# KiCad board ecp5.kicad_pcb (continued)
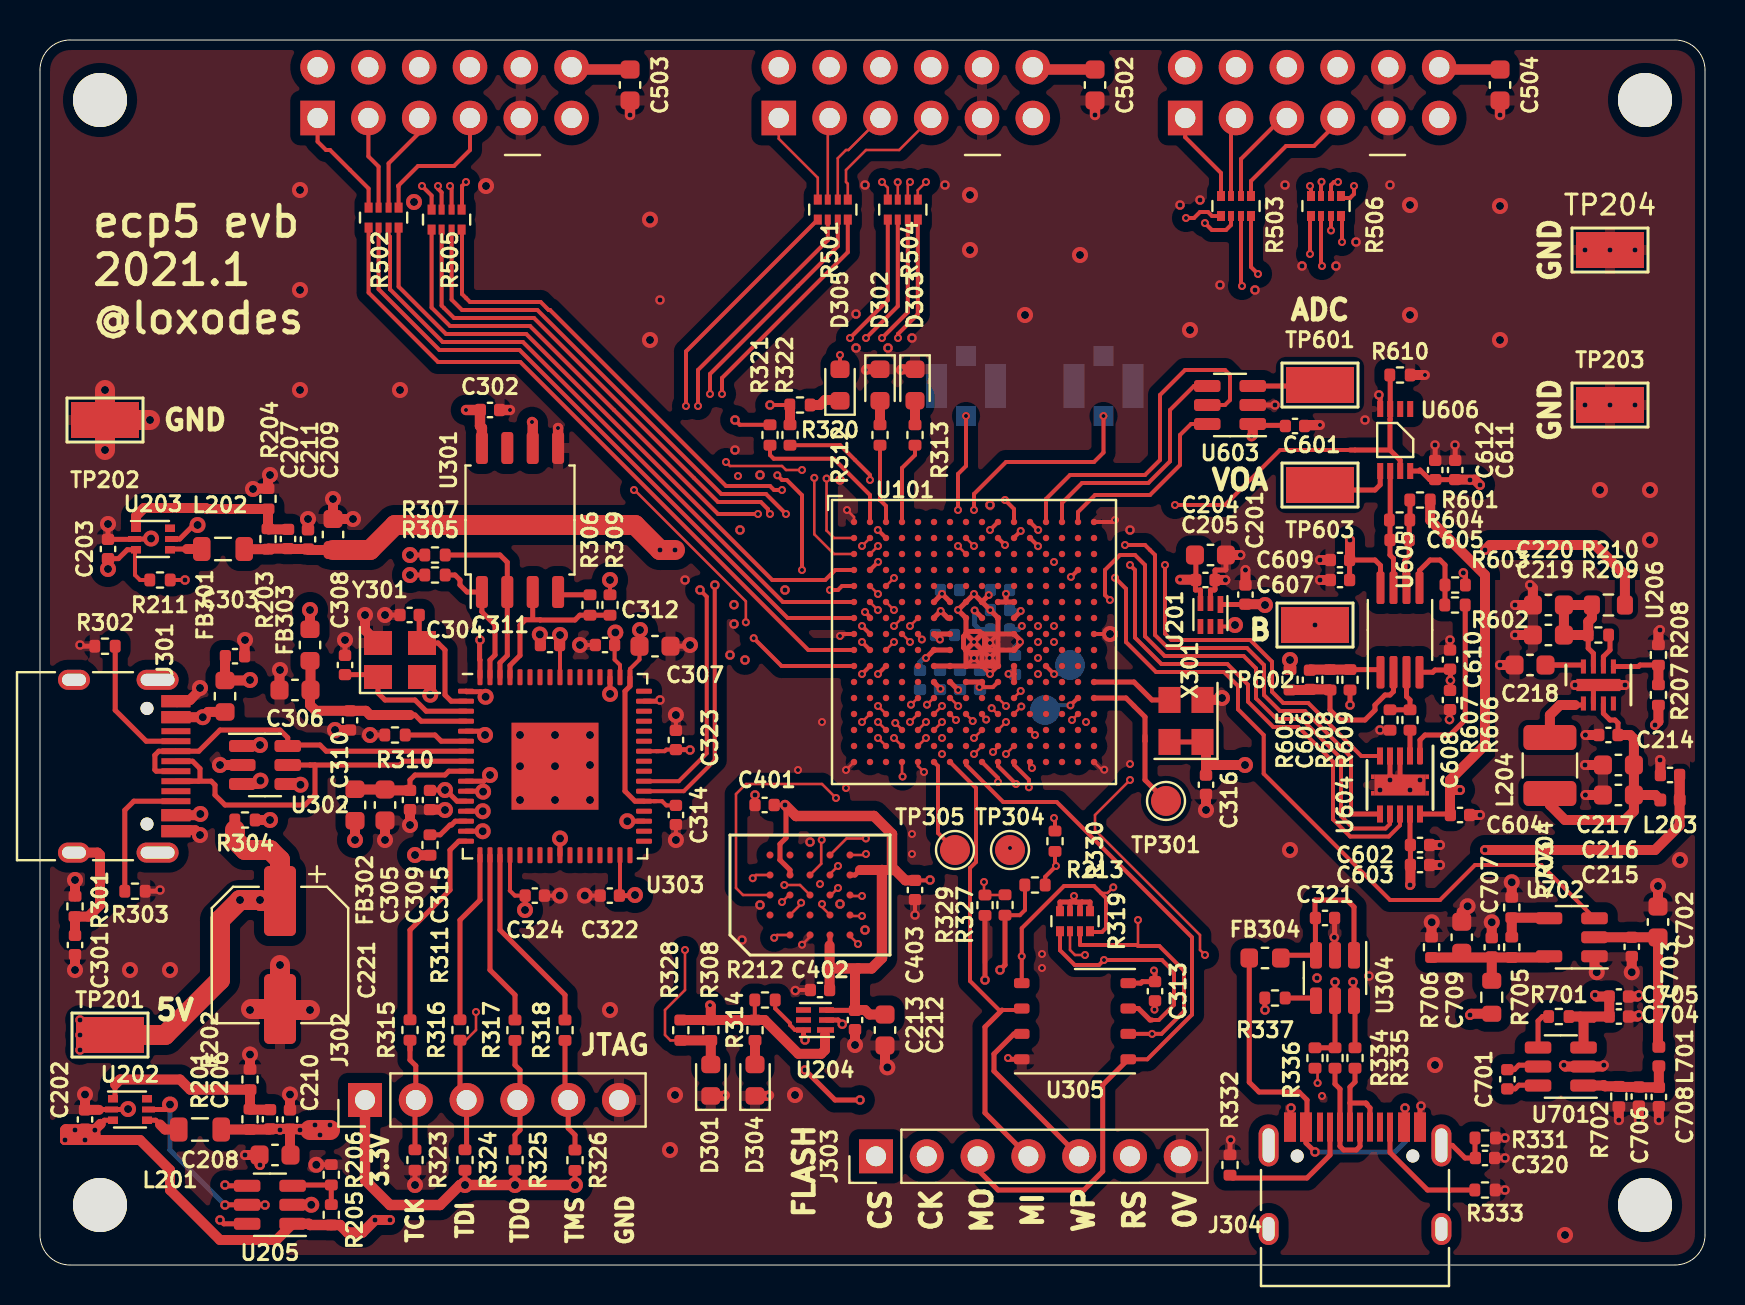
[diagram p0: board, top side]
## Routing (per net, layer and track width the routed paths; a pad name or vN(x,y) marks a point on that pad's centre or on a via; arc(x,y) is an arc through that point) (continued)
/bias/DAC_VREF: length 31.4
  Top w0.25: v2(62.5,30.25) R605.2 62.48,29.75 ; C604.2 70.47,22.55 U604.10
  Top w0.5: 70.5,23.75 v1(71,23.75) ; 70.5,23.75 70.5,22.52 C604.2 ; 70.5,23.75 70.5,24.25 72.25,26 72.25,34.5 69.51,37.24 R601.2
  In3.Cu w0.25: v1(71,23.75) 64.5,30.25 64.49,30.25 v2(62.5,30.25)
/bias/DAC_~{CLR}: length 27.6
  Top w0.2: U101.B11 48.7,36.37 v3(49.04,36.7) ; v3(56.25,35) 56.25,31.57 56.57,31.25 60.51,31.25 61.6,30.16 61.6,28.66 62.16,28.1 63.41,28.1 66.06,25.45 U604.5
  In2.Cu w0.2: v3(56.25,35) 55,33.75 51,33.75 49.04,35.71 v3(49.04,36.7)
/bias/DAC_~{SYNC}: length 32.2
  Top w0.2: v3(54.25,36) 55.25,36 55.75,35.5 55.75,31.5 56.4,30.85 60.35,30.85 61.2,30 61.2,28.5 62,27.7 63.25,27.7 65.55,25.4 65.55,22.55 ; v3(48.25,36) U101.B10
  Top w0.25: U604.6 65.55,22.55
  In2.Cu w0.2: v3(48.25,36) 48.25,37.5 48.75,38 50,38 52,36 v3(54.25,36)
/bias/SYNTH_VT_CS: length 9.7
  Top w0.2: U603.6 57.55,42.05 57,41.5 57,40 55.5,38.5 52.75,38.5 51.9,37.65 U101.A15
/bias/VOUTA: length 9.2
  Top w0.25: R602.2 71.26,27.26 70.5,26.5 69.25,26.5 69,26.25 U604.1
/bias/VOUTB: length 1.3
  Top w0.25: U604.2 68.52,25.47 68.52,25.73 68.5,25.75 R606.2
/pmod/P1A1: length 31.6
  Top w0.2: v3(35.69,31.34) 37.08,29.95 U101.K1 ; R501.1 32.3,45.68 v3(32.3,42.95)
  In4.Cu w0.127: v3(35.69,31.34) 34.71,31.34 34.1,31.95 34.1,33.15 34.57,33.62 34.57,35.41 32.3,37.69 v3(32.3,42.95)
/pmod/P1A1x: length 4.9
  Top w0.127: J501.1 36.94,56.31 38.89,54.36 R501.8
/pmod/P1A2: length 32.2
  Top w0.127: U101.J3 v3(42.7,31.15)
  Top w0.2: R501.2 39.39,51.24 32.9,44.75 v3(32.9,42.95)
  In4.Cu w0.127: v3(42.7,31.15) 42.14,30.59 37.59,30.59 35.5,32.68 35.5,34.95 32.9,37.55 v3(32.9,42.95)
/pmod/P1A2x: length 4.1
  Top w0.127: R501.7 39.39,57.26 J501.2
/pmod/P1A3: length 27.9
  Top w0.127: v3(41.9,32.75) 41.5,33.14 U101.F2
  Top w0.2: v3(33.5,43.55) 33.5,44.55 39.89,50.94 R501.3
  In4.Cu w0.127: v3(33.5,43.55) 33.5,39.09 34.56,38.02 37.5,38.02 38.18,37.35 38.18,36.47 v3(41.9,32.75) 41.9,32.74
/pmod/P1A3x: length 5
  Top w0.127: R501.6 39.89,55.34 40.3,55.75 40.42,55.75 J501.3
/pmod/P1A4: length 27.1
  Top w0.127: v3(38.1,39.75) 37.3,39.75 37.1,39.95 34.5,39.95 v3(34.3,40.15) ; U101.E3 v3(42.7,34.35)
  Top w0.2: R501.4 40.39,50.64 34.1,44.35 v3(34.1,43.55)
  In4.Cu w0.127: v3(34.3,40.15) 34.1,40.35 v3(34.1,43.55) ; v3(38.1,39.75) 38.1,38.95 40.5,36.55 40.5,35.75 41.9,34.35 v3(42.7,34.35)
/pmod/P1A4x: length 6.9
  Top w0.127: R501.5 40.39,54.06 40.3,54.15 40.3,54.75 41.3,55.75 42.96,55.75 J501.4
/pmod/P1A7: length 39.3
  Top w0.2: U101.K2 v3(41.1,29.55) ; v3(40.5,46.35) 42.39,48.24 R504.1
  In4.Cu w0.127: v3(40.5,46.35) 33.96,46.35 31.1,43.49 31.1,38.43 34.25,35.28 34.25,33.76 33.77,33.29 33.77,31.81 34.57,31.02 35.23,31.02 36.7,29.55 v3(41.1,29.55)
/pmod/P1A7x: length 10
  Top w0.127: R504.8 42.39,53.86 v3(42.1,54.15)
  In4.Cu w0.127: v3(42.1,54.15) 41.3,54.95 41.3,55.15 40.9,55.55 38.9,55.55 38.3,56.15 38.3,58.15 36.94,59.51 J501.7
/pmod/P1A8: length 41.3
  Top w0.127: v3(29.7,38.75) 29.73,38.75 35.29,33.18 v3(35.29,32.14)
  Top w0.2: v3(41.3,46.35) 42.89,47.94 R504.2 ; U101.K3 v3(41.9,29.55)
  In4.Cu w0.127: v3(41.3,46.35) 40.7,46.95 34.1,46.95 29.7,42.55 v3(29.7,38.75) ; v3(41.9,29.55) 41.23,30.22 37.36,30.22 36.57,31.01 36.57,31.14 35.58,32.14 v3(35.29,32.14)
/pmod/P1A8x: length 8
  Top w0.127: v3(42.89,54.14) 42.89,54.14 R504.7
  In4.Cu w0.127: v3(42.89,54.14) 40.7,56.33 40.7,58.67 J501.8
/pmod/P1A9: length 24
  Top w0.2: v3(39.5,33.75) 39.9,33.75 40.1,33.95 U101.E1 ; v3(38.1,34.75) 38.1,38.49 37.34,39.25 37.1,39.25 v3(36.87,39.49) ; v3(42.1,46.35) 43.39,47.64 R504.3
  In4.Cu w0.2: v3(36.87,39.49) 36.87,41.12 v3(42.1,46.35) ; v3(38.1,34.75) 38.5,34.75 v3(39.5,33.75)
/pmod/P1A9x: length 7.3
  Top w0.127: R504.6 43.39,54.04 v3(43.5,54.15)
  In4.Cu w0.127: J501.9 42.02,59.83 43.3,58.55 43.3,54.35 v3(43.5,54.15)
/pmod/P1A10: length 25.2
  Top w0.127: U101.F3 v3(42.7,32.75)
  Top w0.2: v3(42.9,46.35) 42.9,46.55 43.89,47.54 R504.4
  In4.Cu w0.127: 42.7,33.35 42.7,33.15 ; 42.7,33.15 v3(42.7,32.75) ; 42.7,33.15 42.7,33.44 42.11,34.02 41.76,34.02 40.1,35.69 40.1,36.35 37.64,38.81 37.64,40.29 42.9,45.55 v3(42.9,46.35)
/pmod/P1A10x: length 7.8
  Top w0.127: v3(44.3,54.15) 43.89,53.74 R504.5
  In4.Cu w0.127: J501.10 45.69,58.76 45.69,55.74 45.5,55.55 45.5,55.35 v3(44.3,54.15)
/pmod/P1B1: length 34.9
  Top w0.2: U101.J1 38.41,30.75 24.01,45.15 19.9,45.15 16.43,48.62 R502.1
/pmod/P1B1x: length 5.7
  Top w0.2: J502.1 13.88,56.17 14.3,55.75 14.5,55.75 16.43,53.82 R502.8
/pmod/P1B2: length 33.7
  Top w0.2: U101.G1 37.38,32.35 23.98,45.75 19.97,45.75 16.93,48.79 R502.2
/pmod/P1B2x: length 4.7
  Top w0.2: J502.2 16.42,55.43 16.93,54.92 R502.7
/pmod/P1B3: length 34.4
  Top w0.2: 17.5,50.35 17.5,48.78 ; 17.5,48.78 17.5,51.41 17.43,51.48 R502.3 ; 17.5,48.78 20.13,46.15 24.15,46.15 37.15,33.15 U101.F1
/pmod/P1B3x: length 5.1
  Top w0.2: R502.6 17.43,55.08 18.96,56.61 J502.3
/pmod/P1B4: length 32
  Top w0.2: U101.D1 39.76,34.75 39.26,34.25 36.61,34.25 24.31,46.55 20.3,46.55 17.93,48.92 R502.4
/pmod/P1B4x: length 7
  Top w0.2: R502.5 17.93,53.92 17.9,53.95 18.9,54.95 20.7,54.95 21.5,55.75 J502.4
/pmod/P1B7: length 35.9
  Top w0.2: v3(35.9,37.55) 33.9,37.55 24.5,46.95 20.5,46.95 19.58,47.87 R505.1 ; U101.J2 v3(41.1,31.15)
  In4.Cu w0.2: v3(35.9,37.55) 35.9,32.86 36.06,32.7 36.06,32.63 37.74,30.95 40.9,30.95 v3(41.1,31.15)
/pmod/P1B7x: length 10.3
  Top w0.2: R505.8 19.58,53.47 v3(19.1,53.95)
  In4.Cu w0.2: v3(19.1,53.95) 17.7,55.35 16.3,55.35 15.3,56.35 15.3,56.55 15.26,56.59 15.26,58.51 J502.7
/pmod/P1B8: length 34.9
  Top w0.2: R505.2 20.08,47.97 20.7,47.35 24.7,47.35 33.9,38.15 36.04,38.15 36.4,37.79 36.4,37.65 v3(36.5,37.55) ; U101.H2 v3(41.1,31.95)
  In4.Cu w0.2: v3(36.5,37.55) 36.5,32.76 37.31,31.95 v3(41.1,31.95)
/pmod/P1B8x: length 9.2
  Top w0.2: R505.7 20.08,53.63 19.9,53.81 v3(19.9,53.95)
  In4.Cu w0.2: v3(19.9,53.95) 19.9,54.95 19.1,55.75 18.1,55.75 17.9,55.95 17.9,56.35 17.8,56.45 17.8,58.51 J502.8
/pmod/P1B9: length 32.9
  Top w0.2: U101.G2 41.5,32.4 v3(41.25,32.65) ; R505.3 20.58,48.27 21.1,47.75 24.87,47.75 34.07,38.55 36.3,38.55 v3(37.3,37.55)
  In4.Cu w0.2: v3(37.3,37.55) 37.3,34.44 39.09,32.65 v3(41.25,32.65)
/pmod/P1B9x: length 7.8
  Top w0.2: v3(20.5,53.95) 20.58,53.87 R505.6
  In4.Cu w0.2: v3(20.5,53.95) 20.5,55.55 20.3,55.75 20.3,58.55 J502.9
/pmod/P1B10: length 31.3
  Top w0.127: v3(41.9,33.55) U101.E2
  Top w0.2: R505.4 21.1,51.75 21.1,48.55 21.5,48.15 25.03,48.15 25.43,47.75 25.5,47.75 34.3,38.95 36.5,38.95 36.7,38.75 v3(37.1,38.75)
  In4.Cu w0.127: v3(37.1,38.75) 37.24,38.75 39.77,36.21 39.77,35.41 41.64,33.55 v3(41.9,33.55)
/pmod/P1B10x: length 8.3
  Top w0.2: v3(21.3,54.15) 21.1,53.95 21.1,52.79 R505.5
  In4.Cu w0.2: v3(21.3,54.15) 21.3,54.75 22.7,56.15 22.7,58.69 J502.10
/pmod/P2_1: length 31.1
  Top w0.127: U101.C1 39.7,35.55 38.71,36.54 v3(38.71,39.36)
  Top w0.2: R503.5 58.6,52.45 58.4,52.65 58,52.65 57.7,52.35 v3(57.3,52.35)
  In4.Cu w0.127: 51.7,52.35 38.71,39.36 v3(38.71,39.36)
  In4.Cu w0.2: v3(57.3,52.35) 51.7,52.35
/pmod/P2_1x: length 6.5
  Top w0.2: J503.4 64.88,57.13 63.7,55.95 62.3,55.95 60.55,54.2 R503.1
/pmod/P2_2: length 30.3
  Top w0.127: U101.B1 39.7,36.35 39.33,36.72 v3(39.33,39.32)
  Top w0.2: R503.6 59.55,52 59.3,51.75 58.59,51.75 v3(58.25,52.1)
  In4.Cu w0.127: 57.7,51.95 57.64,51.89 51.89,51.89 v3(39.33,39.32)
  In4.Cu w0.2: v3(58.25,52.1) 58.1,51.95 57.7,51.95
/pmod/P2_2x: length 5
  Top w0.2: J503.3 62.1,57.35 60.05,55.3 R503.2
/pmod/P2_3: length 30.6
  Top w0.127: U101.H5 43.9,31.47 v3(44.09,31.28)
  Top w0.2: v3(60.1,48.95) 60.05,49 R503.7
  In4.Cu w0.127: 58.7,47.95 54.9,47.95 44.55,37.6 44.55,31.74 v3(44.09,31.28)
  In4.Cu w0.2: v3(60.1,48.95) 59.1,47.95 58.7,47.95
/pmod/P2_3x: length 4
  Top w0.2: J503.2 59.55,57.1 R503.3
/pmod/P2_4: length 31.3
  Top w0.127: U101.G5 v3(43.5,31.95)
  Top w0.2: R503.8 60.55,49.9 v3(60.9,49.55)
  In4.Cu w0.127: 58.5,49.55 55.9,49.55 44.23,37.88 44.23,32.68 v3(43.5,31.95)
  In4.Cu w0.2: 58.5,49.55 v3(60.9,49.55)
/pmod/P2_4x: length 4.6
  Top w0.2: R503.4 59.05,54.6 57.26,56.39 J503.1
/pmod/P2_7: length 32.8
  Top w0.127: U101.C2 v3(41.9,35.95)
  Top w0.2: R506.8 65.1,52.4 v3(65.1,51.15)
  In4.Cu w0.127: v3(41.9,35.95) 43.1,35.95 43.5,36.35 43.5,38.75 55.9,51.15 58.1,51.15
  In4.Cu w0.2: 58.1,51.15 v3(65.1,51.15)
/pmod/P2_7x: length 7.7
  Top w0.2: R506.1 65.15,53.35 65.5,53.35 65.7,53.55 v3(65.7,53.95)
  In4.Cu w0.2: J503.10 64.88,59.77 66.04,58.61 66.04,54.29 v3(65.7,53.95)
/pmod/P2_8: length 33
  Top w0.127: U101.B2 v3(41.1,35.95)
  Top w0.2: R506.7 v3(64.55,51.73)
  In4.Cu w0.127: v3(41.1,35.95) 41.3,36.15 41.3,36.95 42.1,37.75 43.1,37.75 43.1,38.95 45.5,41.35 45.5,42.35 54.7,51.55 58.1,51.55
  In4.Cu w0.2: v3(64.55,51.73) 64.37,51.55 58.1,51.55
/pmod/P2_8x: length 7.8
  Top w0.2: v3(64.9,54.15) 64.7,54.15 64.55,54 R506.2
  In4.Cu w0.2: J503.9 62.34,59.71 63.5,58.55 63.5,56.55 63.5,56.55 63.5,55.55 v3(64.9,54.15)
/pmod/P2_9: length 37.9
  Top w0.127: U101.H4 v3(43.5,31.15)
  Top w0.2: R506.6 64.05,50 v3(64.1,49.95)
  In4.Cu w0.127: v3(43.5,31.15) 43.5,30.15 43.9,29.75 44.5,29.75 45.7,30.95 45.7,31.35 46.3,31.95 47.9,31.95 48.57,32.62 48.57,32.92 50.1,34.45 50.1,35.35 50.9,36.15 50.9,41.55 55.1,45.75 60.9,45.75 63.9,48.75
  In4.Cu w0.2: 63.9,48.75 63.9,49.75 v3(64.1,49.95)
/pmod/P2_9x: length 8.6
  Top w0.2: v3(64.08,54.16) 64.05,54.13 R506.3
  In4.Cu w0.2: v3(64.08,54.16) 64.08,54.17 62.5,55.75 61.9,55.75 61.1,56.55 61.1,58.15 59.8,59.45 J503.8
/pmod/P2_10: length 34.2
  Top w0.127: U101.G4 v3(42.7,31.95)
  Top w0.2: v3(63.5,50.55) 63.5,52.4 R506.5
  In4.Cu w0.127: 58.7,50.55 55.9,50.55 43.9,38.55 43.9,33.15 v3(42.7,31.95)
  In4.Cu w0.2: 58.7,50.55 v3(63.5,50.55)
/pmod/P2_10x: length 10.7
  Top w0.2: R506.4 63.55,53.9 v3(63.5,53.95)
  In4.Cu w0.2: v3(63.5,53.95) 62.3,55.15 59.5,55.15 58.64,56.01 58.64,58.51 J503.7
/power/PGOOD: length 2.9
  Top w0.25: R205.1 R206.2 12.67,4 U205.3
/prog/DONE: length 33.5
  Top w0.127: R328.2 31.52,11.23 31.25,11.5 31.25,12.75 32.25,13.75 v3(32.25,15.75) ; v3(46.7,26.35) U101.P9 47,26.75
  Top w0.5: R328.2 R308.2 D301.2
  In2.Cu w0.127: 41.45,15.55 41.4,15.55 ; 41.45,15.55 45.1,15.55 46.1,16.55 46.1,16.95 46,17.05 46,25.75 46.6,26.35 v3(46.7,26.35) ; 41.45,15.55 32.45,15.55 v3(32.25,15.75)
/prog/FLASH_CS: length 36.8
  Top w0.127: v3(53.66,18.89) 53.38,18.6 53.05,18.6 ; U101.N8 46.3,27.53 v3(46.64,27.2)
  Top w0.2: R319.8 52.54,16.65 53.1,16.65 53.3,16.85 53.3,18.35 52.7,18.95 51.2,18.95 49.09,16.84 v3(49.09,15.44) U305.1
  In2.Cu w0.25: v3(49.09,15.44) 49.09,12.72 J303.1
  In4.Cu w0.127: v3(53.66,18.89) 53.66,21.7 50.02,25.35 49.76,25.35 48.96,26.14 47.69,26.14 v3(46.64,27.2)
/prog/FLASH_MISO|IO1: length 23.4
  Top w0.2: U101.T7 46.8,23.85 46.8,20.15 46.5,19.85 46.5,14.2 47.95,12.75 49.01,12.75 U305.2
  Top w0.25: 48.1,12.75 47.25,11.9 47.25,7.61 J303.4
/prog/FLASH_MOSI|IO0: length 36.9
  Top w0.2: U101.T8 46.3,25.01 48.16,23.15 50.84,23.15 57.6,16.39 57.6,12.52 55.37,10.28 U305.5
  Top w0.25: U305.5 53.14,9.01 53.14,4.69 52.2,3.75 47.9,3.75 46.88,4.77 J303.3
/prog/FLASH_SCK: length 42.4
  Top w0.127: U101.N9 47.1,27.48 v3(47.31,27.27) ; v3(54.9,17.25) 54.9,15.95
  Top w0.2: U305.6 56.07,11.56 57.2,12.68 57.2,14.72 55.97,15.95 54.9,15.95 54.85,16 52.01,16 52,16.01 R319.7
  In2.Cu w0.25: J303.2 46.75,7.85 54.1,7.85 55.61,9.36 v3(55.61,11.56)
  In4.Cu w0.127: v3(54.9,17.25) 54.9,20.93 50.15,25.67 49.89,25.67 48.99,26.58 48,26.58 v3(47.31,27.27)
/prog/FLASH_~{HLD}|~{RST}|IO3: length 40.9
  Top w0.127: U101.N7 v3(45.8,27.25)
  Top w0.2: 55.6,12.25 55.94,12.25 56.7,13.01 56.7,14.65 56.1,15.25 v3(53.2,15.25) 52.95,15 51.74,15 51,15.74 R319.5
  Top w0.25: U305.7 54.92,12.83 55.5,12.25 55.6,12.25
  In2.Cu w0.25: J303.6 56.25,7.19 56.25,14.25 56.5,14.5 56.5,14.75 56,15.25 v3(53.2,15.25)
  In4.Cu w0.127: v3(45.8,27.25) 46.1,26.95 46.1,22.35 v3(53.2,15.25)
/prog/FLASH_~{WP}|IO2: length 52.1
  Top w0.127: R319.6 51.5,15.75 51.75,15.5 v3(52.25,15.5) ; v3(58.25,15.5) 58,15.75 58,16.5 52.75,21.75 52.75,22.5 v3(54.5,24.25) ; v3(45.91,27.95) 45.51,28.35 U101.M7
  Top w0.25: U305.3 48.7,11.56 47.7,10.56 47.7,9.69 J303.5
  In4.Cu w0.127: v3(54.5,24.25) 52.5,26.25 51.75,26.25 51,27 51,27.5 49.25,29.25 48.75,29.25 48.5,29 48.57,28.93 48.57,28.57 48.5,28.5 47.5,28.5 47.25,28.25 46.21,28.25 v3(45.91,27.95) ; v3(58.25,15.5) 55,15.5 54.25,14.75 53,14.75 v3(52.25,15.5)
  In4.Cu w0.25: J303.5 51.5,5.89 51.5,15.25 51.75,15.5 v3(52.25,15.5)
/prog/FT_EECS: length 7
  Top w0.25: U303.63 22.5,30.25 22.75,30.5 22.75,32 22.09,32.66 U301.1 21.35,33.65 21,34 21,34.25 20.75,34.5 R305.2
/prog/PROGRAMn: length 8.8
  Top w0.127: v3(47.2,19.15) 47.2,18.55 R329.2 48.24,18.5 R327.1 ; v3(46.7,25.55) U101.R9
  In2.Cu w0.127: v3(46.7,25.55) 46.7,19.65 v3(47.2,19.15)
/prog/RXD_UART: length 8.1
  Top w0.2: v3(41.5,39.25) 41.5,39.5 40.01,40.99 R322.1 ; v3(41.89,36.75) 41.9,36.75 U101.B3
  In2.Cu w0.2: v3(41.5,39.25) 41.5,37.14 v3(41.89,36.75)
/prog/TXD_UART: length 7.7
  Top w0.2: R321.1 36.5,40.5 36.69,40.31 39.69,40.31 41.5,38.5 U101.A2
/prog/USR_1: length 4
  Top w0.2: U101.A3 42.3,37.95 42,38.25 R312.1
/prog/USR_2: length 4.1
  Top w0.2: R313.1 43.75,40.5 43.1,39.85 U101.A4
/ram/HRAM_CLK: length 13.3
  Top w0.13: 37.45,17.5 U401.B2 38.05,18.05 v3(38.05,18.11) ; U101.N5 v3(43.5,27.15)
  In4.Cu w0.13: v3(43.5,27.15) 43.5,26.02 39.93,22.45 39.06,22.45 38.05,21.44 v3(38.05,18.11)
/ram/HRAM_CLK#: length 25
  Top w0.13: U401.B1 36.85,16.5 v3(36.71,16.36) ; U101.N6 v3(45.1,27.95)
  In4.Cu w0.13: v3(45.1,27.95) 43.97,29.08 40.88,29.08 40.81,29.15 37.23,29.15 34.52,26.43 34.52,17.81 35.96,16.36 v3(36.71,16.36)
/ram/HRAM_CS: length 18.1
  Top w0.127: U401.A3 35.15,18.5 34.8,18.85 34.8,23.55 35.3,24.05 39.1,24.05 v3(39.8,23.35)
  Top w0.13: U101.R4 v3(42.7,26.35)
  In4.Cu w0.127: 39.7,25.35 39.7,23.45 v3(39.8,23.35)
  In4.Cu w0.13: v3(42.7,26.35) 42.2,25.85 40.1,25.85 39.7,25.45 39.7,25.35
/ram/HRAM_DQ0: length 11.3
  Top w0.127: v3(39.9,18.85) 39.55,18.5 U401.D3
  Top w0.13: U101.P4 43.1,26.77 v3(42.76,27.1)
  In2.Cu w0.127: v3(39.9,18.85) 39.4,19.35 39.4,20.75 39.6,20.95 39.6,22.15 43.3,25.85 43.3,26.57 v3(42.76,27.1)
/ram/HRAM_DQ1: length 14.8
  Top w0.127: v3(39.1,18.05) 39.1,17.9 U401.D2
  Top w0.13: U101.R3 v3(41.9,26.35)
  In4.Cu w0.127: 39.2,25.45 39.2,23.05 37.4,21.25 37.4,19.5 37.68,19.22 37.68,19.17 37.7,19.15 37.7,18.55 37.59,18.44 37.59,17.85 37.79,17.65 38.7,17.65 v3(39.1,18.05)
  In4.Cu w0.13: v3(41.9,26.35) 39.8,26.35 39.2,25.75 39.2,25.45
/ram/HRAM_DQ2: length 10.7
  Top w0.13: v3(39.09,21.26) 39.06,21.23 39.06,20.06 U401.C4 ; U101.P5 v3(44.3,27.15)
  In4.Cu w0.13: v3(39.09,21.26) 39.21,21.26 43.83,25.88 43.83,26.68 v3(44.3,27.15)
/ram/HRAM_DQ3: length 7.2
  Top w0.127: v3(39.9,19.95) 39.5,19.55 U401.D4
  Top w0.13: v3(43.13,24.42) 43.1,24.45 U101.T4
  In2.Cu w0.127: v3(39.9,19.95) 39.93,19.98 39.93,21.22 v3(43.13,24.42)
/ram/HRAM_DQ4: length 10.8
  Top w0.13: U101.P6 v3(45.1,27.15) ; U401.D5 40.32,21.32 v3(41.29,21.32)
  In4.Cu w0.13: v3(45.1,27.15) 45.57,26.68 45.57,25.15 41.74,21.32 v3(41.29,21.32)
/ram/HRAM_DQ5: length 11.1
  Top w0.13: v3(41.1,18.45) 40.55,18.45 U401.E3 ; U101.R5 v3(44.3,26.35)
  In4.Cu w0.13: v3(41.1,18.45) 40.8,18.75 40.8,21.75 40.84,21.79 41.57,21.79 43.7,23.92 43.7,25.25 44.3,25.85 v3(44.3,26.35)
/ram/HRAM_DQ6: length 24
  Top w0.127: v3(41.1,17.45) 40.55,17.45 U401.E2
  Top w0.13: v3(43.55,28.01) 43.88,28.35 U101.M5
  In4.Cu w0.127: v3(41.1,17.45) 40.97,17.32 35.93,17.32 35.17,18.08 35.17,21.12 36.3,22.25 36.3,24.45 37.9,26.05
  In4.Cu w0.13: 37.9,26.05 37.9,27.28 39.03,28.42 43.15,28.42 v3(43.55,28.01)
/ram/HRAM_DQ7: length 26.3
  Top w0.127: v3(40.9,16.05) 40.5,16.45 U401.E1
  Top w0.13: U101.M6 44.68,28.35 v3(44.35,28.01)
  In4.Cu w0.127: 38.73,28.78 34.85,24.9 34.85,17.94 35.96,16.82 40.13,16.82 v3(40.9,16.05)
  In4.Cu w0.13: v3(44.35,28.01) 43.61,28.75 38.76,28.75 38.73,28.78
/ram/HRAM_RST: length 14.4
  Top w0.13: U401.A4 35.8,19.5 v3(35.64,19.34) ; U101.N3 v3(41.9,27.95)
  In4.Cu w0.127: 38.4,25.95 38.4,23.41 35.64,20.65 v3(35.64,19.34)
  In4.Cu w0.13: v3(41.9,27.95) 39.03,27.95 38.4,27.32 38.4,25.95
/ram/HRAM_RWDS: length 14.6
  Top w0.127: U401.C3 38,19 v3(37.21,19)
  Top w0.13: U101.P3 v3(41.9,27.15)
  In4.Cu w0.127: v3(37.21,19) 36.1,20.11 36.1,20.45 38.8,23.15 38.8,25.95
  In4.Cu w0.13: 38.8,25.95 40.47,27.62 41.43,27.62 v3(41.9,27.15)
M5V_EN: length 40.9
  Top w0.2: v3(53.75,34.36) 54.3,33.81 54.3,31.15 55.8,29.65 59.2,29.65 59.9,28.95 59.9,27.78 61.18,26.5 61.18,24.57 67.5,18.25 70,18.25 71.75,20 75.06,20 U702.3 ; v3(49.9,35.94) 49.9,35.95 U101.B12
  In2.Cu w0.2: v3(53.75,34.36) 52.32,34.36 50.74,35.94 v3(49.9,35.94)
~{FPGA_RESET}: length 52.3
  Top w0.2: R213.2 49.25,18.99 49.25,17.75 48.99,17.49 R327.2
  Top w0.25: v1(9.25,4) 9.29,3.96 U205.4 ; v1(48,14.75) 48.25,15 R327.2
  In2.Cu w0.25: v1(48,14.75) 48,13.5 41.75,7.25 39.89,7.25 34.2,1.57 11.68,1.57 v1(9.25,4)
Net-(C206-Pad2): length 9.8
  Top w0.25: 3.75,9.03 3.75,8.41 U202.1
  Top w0.5: 3.75,9.03 4,9.28 7,9.28 7.51,8.77 R202.2 R201.1 10.53,7.77 C206.2
Net-(C207-Pad2): length 9.3
  Top w0.5: C207.2 11.43,36.78 R203.1 R204.2 8.34,37.8 8.29,37.85 5.2,37.85 4.8,37.45 4.8,36.9
Net-(C215-Pad1): length 14
  Top w0.25: C217.1 78.9,27.1 78.75,27.25 78.5,27.25 78.17,27.58 U206.3
  Top w0.5: C217.1 79.5,26.5 79.69,26.31 C216.1 C215.1 ; C215.1 79.69,22.69 79.25,22.25 76.25,22.25 75.5,23 L204.1 ; C215.1 80.5,23.5 ; C215.1 80.76,23.5 L203.1
Net-(C218-Pad1): length 2.9
  Top w0.25: 76.25,30 C218.1 77.09,30 U206.8
Net-(C219-Pad1): length 7.4
  Top w0.25: R209.1 77.41,30.84 77.67,30.58 U206.7
  Top w0.5: R209.1 77.41,32.16 77.59,32.34 R210.1 C220.1 C219.1 R209.1
Net-(C301-Pad1): length 23.4
  Top w0.5: J301.S1 6,20.5 ; J301.S1 2.88,20.62 3,20.5 3,18 2.42,17.42 R301.1 C301.1
  In3.Cu w0.5: J301.S1 J301.S1 J301.S1 J301.S1
Net-(C303-Pad1): length 9.6
  Top w0.5: v2(11,26) 10.95,25.95 U302.1 ; v2(10.5,29.25) 10.48,29.23 FB301.2 9.25,30.42 C303.1 ; U302.3 10.86,24.05 v2(11.02,24.22)
  In2.Cu w0.5: v2(11,26) 11.02,25.98 v2(11.02,24.22)
  In2.Cu w1: v2(11,26) 11,28.75 v2(10.5,29.25)
Net-(C304-Pad1): length 6.2
  Top w0.25: U303.2 20.56,28.19 20.25,28.5 20.25,30.75 19.9,31.1 Y301.3 18.96,31.24 C304.1
Net-(C305-Pad1): length 6.3
  Top w0.25: U303.9 20.44,24.69 20.25,24.5 18.75,24.5 18.5,24.25 C309.1
  Top w0.5: FB302.2 15.76,23.78 C305.1 17.3,23.73 C309.1
Net-(C306-Pad1): length 10.6
  Top w0.25: 18.23,27.5 18.75,27.5 19.06,27.19 U303.4
  Top w0.5: 18.5,27.5 16.5,27.5 16.29,27.71 C310.1 13.79,27.71 13.5,28 13.5,28.72 C306.1 13.53,30.19 FB303.2
Net-(C308-Pad1): length 7.3
  Top w0.25: U303.3 19.31,27.69 18.75,28.25 17.25,28.25 16.9,28.6 Y301.1 16.78,29.52 C308.1
Net-(C320-Pad1): length 20
  Top w0.25: R331.1 71.75,5.37 C320.1 71.25,5.35 70.62,5.98 J304.S1
  In2.Cu w0.5: J304.S1 J304.S1 J304.S1 J304.S1
Net-(C321-Pad1): length 9.1
  Top w0.25: U304.1 65.7,17.9 65.35,18.25 63.75,18.25 63.75,17.37 C321.1 63.77,15.52 U304.3 62.17,15.49 FB304.2
Net-(C605-Pad1): length 4.5
  Top w0.25: U605.6 68.25,33.94 68.25,35.25 68.46,35.46 C605.1 68.46,37.22 R604.2 68.5,37.26 68.5,38.25
Net-(C605-Pad2): length 5.9
  Top w0.25: U605.7 67.67,35.33 67.5,35.5 C605.2 67.5,37.22 R604.1 67.51,37.29 U606.6
Net-(C606-Pad1): length 8.1
  Top w0.25: U605.2 67.67,28.67 67.5,28.5 67.25,28.5 66.75,28 66.75,27.75 66.25,27.25 65,27.25 64.5,27.75 R608.2
  Top w0.5: R608.2 64.47,28.78 C606.1 63.47,28.75 R605.1
Net-(C606-Pad2): length 3.6
  Top w0.25: R609.2 66.89,29.77 U605.1
  Top w0.5: R609.2 R608.1 63.53,29.77 C606.2
Net-(C701-Pad1): length 1.6
  Top w0.25: C701.1 73.76,8.81 73.94,8.99 74.88,8.99 U701.6
Net-(C701-Pad2): length 1.7
  Top w0.25: C701.2 73.72,9.77 73.94,9.99 74.83,9.99 U701.5
Net-(C706-Pad2): length 4.9
  Top w0.5: L701.2 C708.2 79.96,8.88 C706.2 78.97,8.9 R702.1 78.25,8.93 78.19,8.99 78.17,8.97 U701.1
Net-(C707-Pad1): length 7.1
  Top w0.5: C707.1 R705.1 ; U702.5 75.39,15.38 R706.1
Net-(D302-Pad2): length 1.2
  Top w0.5: D302.2 R312.2
Net-(D303-Pad2): length 1.2
  Top w0.5: D303.2 R313.2
Net-(D304-Pad2): length 1.2
  Top w0.5: D304.2 R314.2
Net-(D305-Pad1): length 1.6
  Top w0.5: D305.1 39.96,43.25 39.25,43.25 39,43 R320.1
Net-(FB301-Pad1): length 8.8
  Top w0.5: v2(8.02,22.55) 7.96,22.49 J301.A9 ; 9.15,27.75 FB301.1 8.4,27.65 v2(8.14,27.39) J301.A4
  In2.Cu w0.5: v2(8.14,27.39) 8.02,27.27 v2(8.02,22.55)
Net-(FB304-Pad1): length 19.7
  Top w0.25: FB304.1 60.46,9.14 60.95,8.65 62.95,8.65 63.35,8.25 63.35,6.94 J304.A4 63.3,6.1 v1(63.75,5.65) ; v1(68.25,7.85) 68.25,6.94 J304.A9
  Bottom w0.25: v1(63.75,5.65) 67.75,5.65 68.25,6.15 v1(68.25,7.85)
Net-(J301-PadA5): length 6.9
  Top w0.25: R302.2 3.76,27.74 5.31,26.19 J301.A5
Net-(J301-PadA6): length 21.1
  Top w0.25: 7.56,24.19 8.56,24.19 8.75,24 8.75,23.5 9.25,23 13.25,23 13.75,23.5 13.75,25 13.5,25 ; 7.56,24.19 J301.B6 ; 7.56,24.19 7.94,24.19 8,24.25 8,24.82 7.63,25.19 J301.A6 ; 13.5,25 U302.5 ; 13.5,25 18,25 18.19,25.19 U303.8
Net-(J301-PadA7): length 18.6
  Top w0.25: J301.A7 5.81,24.69 5.74,24.76 5.74,25.49 5.94,25.69 J301.B7 7.94,25.69 9,26.75 12,26.75 12.39,26.36 U302.6 12.44,26 14,26 14.31,25.69 U303.7
Net-(J301-PadB5): length 6.8
  Top w0.25: R303.2 4.24,22.74 4.69,23.19 J301.B5
Net-(J302-Pad2): length 48
  Top w0.2: U101.T10 47.9,24.95 v3(48.8,24.05)
  Top w0.25: R323.1 18.75,8.21 J302.2 18.79,9.96 18.5,10.25 R315.1 18.5,10.75
  In2.Cu w0.127: J302.2 25.44,14.9 45.42,14.9 49.37,18.85 49.37,23.18 48.8,23.75 v3(48.8,24.05)
Net-(J302-Pad3): length 44.6
  Top w0.127: U101.R11 v3(48.3,25.55) ; R316.1 21.29,11.24 21.8,11.75 v3(21.8,12.65)
  Top w0.25: R324.1 21.33,5.84 J302.3 21,8.58 R316.1
  In2.Cu w0.127: v3(48.3,25.55) 47.3,24.55 47.3,21.95 47.8,21.45 47.8,17.79 45.24,15.22 24.37,15.22 v3(21.8,12.65)
Net-(J302-Pad4): length 48.6
  Top w0.127: v3(48.3,27.95) U101.M10
  Top w0.25: R317.1 23.75,10 24,9.75 24,8.38 J302.4 24,8.12 24,6.75 23.75,6.5 R325.1
  In2.Cu w0.127: v3(48.3,27.95) 48.3,27.88 47.84,27.41 47.84,26.93 49.05,25.71 49.48,25.71 50.1,25.09 50.1,18.65 38.5,7.05 25.07,7.05 J302.4
Net-(J302-Pad5): length 40.2
  Top w0.2: U101.T11 48.7,25.01 49.45,24.26 v3(49.45,23.89)
  Top w0.25: R326.1 26.75,6.5 26.41,6.84 J302.5 26.25,8.41 R318.1
  In2.Cu w0.127: v3(49.45,23.89) 49.7,23.63 49.7,18.71 45.56,14.57 32.73,14.57 J302.5
Net-(J304-PadA5): length 6.9
  Top w0.25: J304.A5 64.5,5.5 63.35,4.35 59.64,4.35 R332.2
Net-(J304-PadA6): length 5.1
  Top w0.25: 65.5,8.1 66.3,8.1 66.35,8.05 66.35,8.01 66.5,7.86 J304.B6 ; 65.5,8.1 65.5,8.9 65.75,9.15 R335.2 ; 65.5,8.1 J304.A6
Net-(J304-PadA7): length 6.1
  Top w0.25: J304.A7 66,5.93 65.82,5.75 65.18,5.75 65,5.93 J304.B7 65,8.8 64.75,9.05 R334.2
Net-(J304-PadB5): length 6.3
  Top w0.25: R333.2 69.38,3.75 67.5,5.63 J304.B5
Net-(J601-Pad1): length 12.3
  Top w0.127: U101.B8 v3(46.7,35.95)
  Top w0.2: v3(46.7,37.75) 46.7,38.55 48.3,40.15 52.7,40.15 53.17,40.62 v3(53.17,42.45)
  In4.Cu w0.127: v3(46.7,35.95) v3(46.7,37.75)
Net-(J602-Pad1): length 7.2
  Top w0.127: U101.C8 v3(45.9,35.95)
  Top w0.2: v3(45.9,37.75) 45.9,39.55 46.3,39.95 v3(46.3,42.45)
  In4.Cu w0.127: v3(45.9,35.95) v3(45.9,37.75)
Net-(L201-Pad1): length 1.8
  Top w0.25: U202.4 5.79,7.24 6,7.03
  Top w0.5: 6,7.03 6.25,6.78 L201.1
Net-(L202-Pad1): length 1.6
  Top w0.25: 7.35,35.8 6.54,35.8 U203.4
  Top w0.5: L202.1 7.35,35.8
Net-(L204-Pad2): length 3
  Top w0.25: U206.1 77.09,28 76.75,28
  Top w0.5: L204.2 75.5,27.5 76,28 76.75,28
Net-(R207-Pad2): length 3.3
  Top w0.25: R208.1 80.91,30 80,30 79.93,29.92 U206.5
  Top w0.5: R208.1 R207.2
Net-(R209-Pad2): length 1.7
  Top w0.25: R209.2 78.5,31.43 78.5,30.75 78.17,30.42 U206.6
Net-(R304-Pad1): length 4.1
  Top w0.5: v2(13.03,24.01) 12.99,24.05 U302.4 ; R304.1 v2(11.5,22.25)
  In2.Cu w0.5: v2(11.5,22.25) 12,22.25 13.03,23.28 v2(13.03,24.01)
Net-(R306-Pad1): length 9
  Top w0.25: 24.26,32.26 25.01,32.26 25.02,32.25 26.75,32.25 26.99,32.49 R306.1 R309.2 ; 24.26,32.26 24,32 24,30.48 23.5,29.98 U303.61 ; 24.26,32.26 24.12,32.12 ; U301.3 24.64,32.36
Net-(R306-Pad2): length 1.7
  Top w0.25: R306.2 26.05,33.51 U301.4
Net-(R307-Pad2): length 9.2
  Top w0.25: R307.2 23,35.5 23.36,35.14 U301.2 23.36,30.48 23,30.11 U303.62
Net-(R310-Pad1): length 3.2
  Top w0.25: U303.6 20.06,26.19 19.75,26.5 R310.1
Net-(R311-Pad1): length 2.1
  Top w0.25: R311.1 20.01,21.51 20.5,22 20.57,22 20.76,22.19 U303.14
Net-(R315-Pad2): length 10.3
  Top w0.25: U303.16 20.94,21.19 20.5,20.75 20.5,18.75 18.5,16.75 R315.2
Net-(R316-Pad2): length 8.6
  Top w0.25: R316.2 21,17.25 22,18.25 U303.17
Net-(R317-Pad2): length 8.8
  Top w0.25: U303.18 22.5,14.75 23.75,13.5 R317.2
Net-(R318-Pad2): length 9.6
  Top w0.25: U303.19 23,16.75 26.25,13.5 R318.2
Net-(R320-Pad2): length 25.9
  Top w0.2: v1(36.5,43) R320.2 ; v1(33,33.75) 33.34,33.41 33.34,25.59 31.94,24.19 U303.39
  Top w0.5: R320.2 37.5,42.99 R322.2
  In2.Cu w0.2: v1(33,33.75) 33,41.5 34.5,43 v1(36.5,43)
Net-(R321-Pad2): length 23.5
  Top w0.2: v1(33.74,34) 33.74,33.99 33.74,25.24 32.19,23.69 U303.38 ; v1(34.75,42.25) 34.99,42.01 R321.2
  In2.Cu w0.2: v1(34.75,42.25) 33.74,41.24 v1(33.74,34)
Net-(R330-Pad2): length 7.2
  Top w0.127: v3(48.3,27.15) U101.P10
  Top w0.2: R330.2 50.75,22.3 v3(50.7,22.35)
  In2.Cu w0.127: v3(48.3,27.15) 49.41,26.04 49.68,26.04 50.7,25.02 v3(50.7,22.35)
Net-(R334-Pad1): length 31.5
  Top w0.127: U101.N11 48.7,27.56 v3(49.06,27.92)
  Top w0.25: v1(64.75,14.15) U304.5 R334.1 R336.2
  In4.Cu w0.127: 56,20.75 51.33,25.42 51.33,25.66 v3(49.06,27.92) ; 56,20.75 52.75,24 ; 56,20.75 59.04,20.75 64.75,15.04 v1(64.75,14.15)
Net-(R335-Pad1): length 28
  Top w0.127: v3(49.04,28.7) 48.7,28.37 U101.M11
  Top w0.25: R335.1 65.75,13.16 U304.6 65.7,14.1 v1(65.65,14.15)
  In4.Cu w0.127: v3(49.04,28.7) 50.67,27.07 50.67,26.86 52.5,25.04 52.5,24.79 56.04,21.25 59,21.25 62.75,17.5 64.5,17.5 65.65,16.35 v1(65.65,14.15)
Net-(R336-Pad1): length 24.4
  Top w0.127: v3(63.88,9.1) 63.88,9.71 R336.1 ; U101.P12 v3(49.75,26.5)
  In4.Cu w0.127: v3(63.88,9.1) 63.88,12.41 49.79,26.5 v3(49.75,26.5)
Net-(R337-Pad1): length 1.6
  Top w0.25: R337.1 63.66,13.35 U304.4
Net-(R602-Pad1): length 4.5
  Top w0.25: U605.5 68.97,34.72 69.5,35.25 70,35.25 70.25,35 R603.2 70.25,33.01 R602.1
Net-(R606-Pad1): length 2.9
  Top w0.25: U605.3 68.33,28.42 68.5,28.25 R606.1 R607.2
Net-(R609-Pad1): length 5.5
  Top w0.25: R609.1 v1(65.5,28)
  In2.Cu w0.25: v1(63.75,32) 65.5,30.25 v1(65.5,28)
Net-(R701-Pad2): length 2
  Top w0.25: U701.4 74.9,12.2 75.12,12.42 R701.2
Net-(R703-Pad2): length 2.8
  Top w0.5: R703.2 R704.1 75.42,17.37 U702.4
Net-(TP301-Pad1): length 7.8
  Top w0.25: U101.M16 54.3,28.35 55.25,27.4 55.25,26.2 ; 55.25,26.2 55.25,24.25 TP301.1 ; 55.25,26.2 55.25,26.46
Net-(TP302-Pad1): length 1.9
  Top w0.2: v3(51.52,27.98) 51.89,28.35 U101.M15
  Bottom w0.2: TP302.1 50.48,27.98 v3(51.52,27.98)
Net-(TP303-Pad1): length 1.6
  Top w0.2: U101.K13 v3(50.7,29.55)
  Bottom w0.2: TP303.1 51.05,29.55 v3(50.7,29.55)
Net-(TP304-Pad1): length 5
  Top w0.2: U101.T9 47.9,24.35 v3(47.9,24.15) ; TP304.1 v3(48.5,20.85)
  In2.Cu w0.2: v3(47.9,24.15) 47.9,22.16 48.5,21.56 v3(48.5,20.85)
Net-(TP305-Pad1): length 4.8
  Top w0.2: TP305.1 44.9,21.6 44.9,24.95 U101.T6
Net-(TP601-Pad1): length 3.4
  Top w0.25: TP601.1 63.95,43.95 U603.3
Net-(TP603-Pad1): length 3.9
  Top w0.25: U606.5 67.01,39.01 66.75,38.75 64.25,38.75 TP603.1
Net-(U101-PadL16): length 4.7
  Top w0.25: U101.L16 54.7,29.15 55.6,28.25 X301.3 56.06,28.66

## Copper pours and planes (outline as drawn; the poured copper is in the pictures)
+3V3 on In3.Cu: 83.25,41.25 70,41.25 70,14.5 58.25,14.5 58.25,4.75 9.75,4.75 9.75,61.25 83.25,61.25
+3V3 on In3.Cu: 33.5,17.35 12.7,17.35 12.7,33.25 33.5,33.25
+5V on In3.Cu: 9.25,4 58.5,4 58.5,14 70.25,14 70.25,40.75 83.25,40.75 83.25,0.25 0.25,0.25 0.25,44.25 9.25,44.25
+5V on In3.Cu: 9.6,3.25 17.6,3.25 17.6,1.05 9.1,1.05 8.6,1.65 4.6,5.65 0.9,5.65 0.9,7.35 5.4,7.35
GND on Top: 83.25,0 0,0 0,61.25 83.25,61.25
GND on Top: 82.5,22 72.75,22 72.75,34.25 82.5,34.25
GND on Bottom, In1.Cu, In2.Cu, In4.Cu: 83.25,0 0,0 0,61.25 83.25,61.25
GND on In3.Cu: 46.4,15.25 34.3,15.25 34.3,29.25 46.4,29.25

## Text on the board
F.Silkscreen: 3.3V | TCK | TDI | TDO | TMS | GND | JTAG | 5V | VOA | B | ADC | FLASH | CS | CK | MO | MI | WP | RS | 0V | ecp5 evb / 2021.1 / @loxodes
User.1: jlcpcb 6-layer stackup, JLC2313 / 1 - signal, components / 2 - ground / 3 - low speed signal / 4 - power / 5 - high speed signal / 6 - ground/components
